# Altium PCB 24V-12V__2x2.PcbDoc
Units mm, origin at the board's own origin, x right, y up, seen from the top; angles counter-clockwise.
Board outline 50.6 x 38 mm, 2 copper layers (Top Layer, Bottom Layer); 72 components, 0 nets, 260 pads, 48 vias.
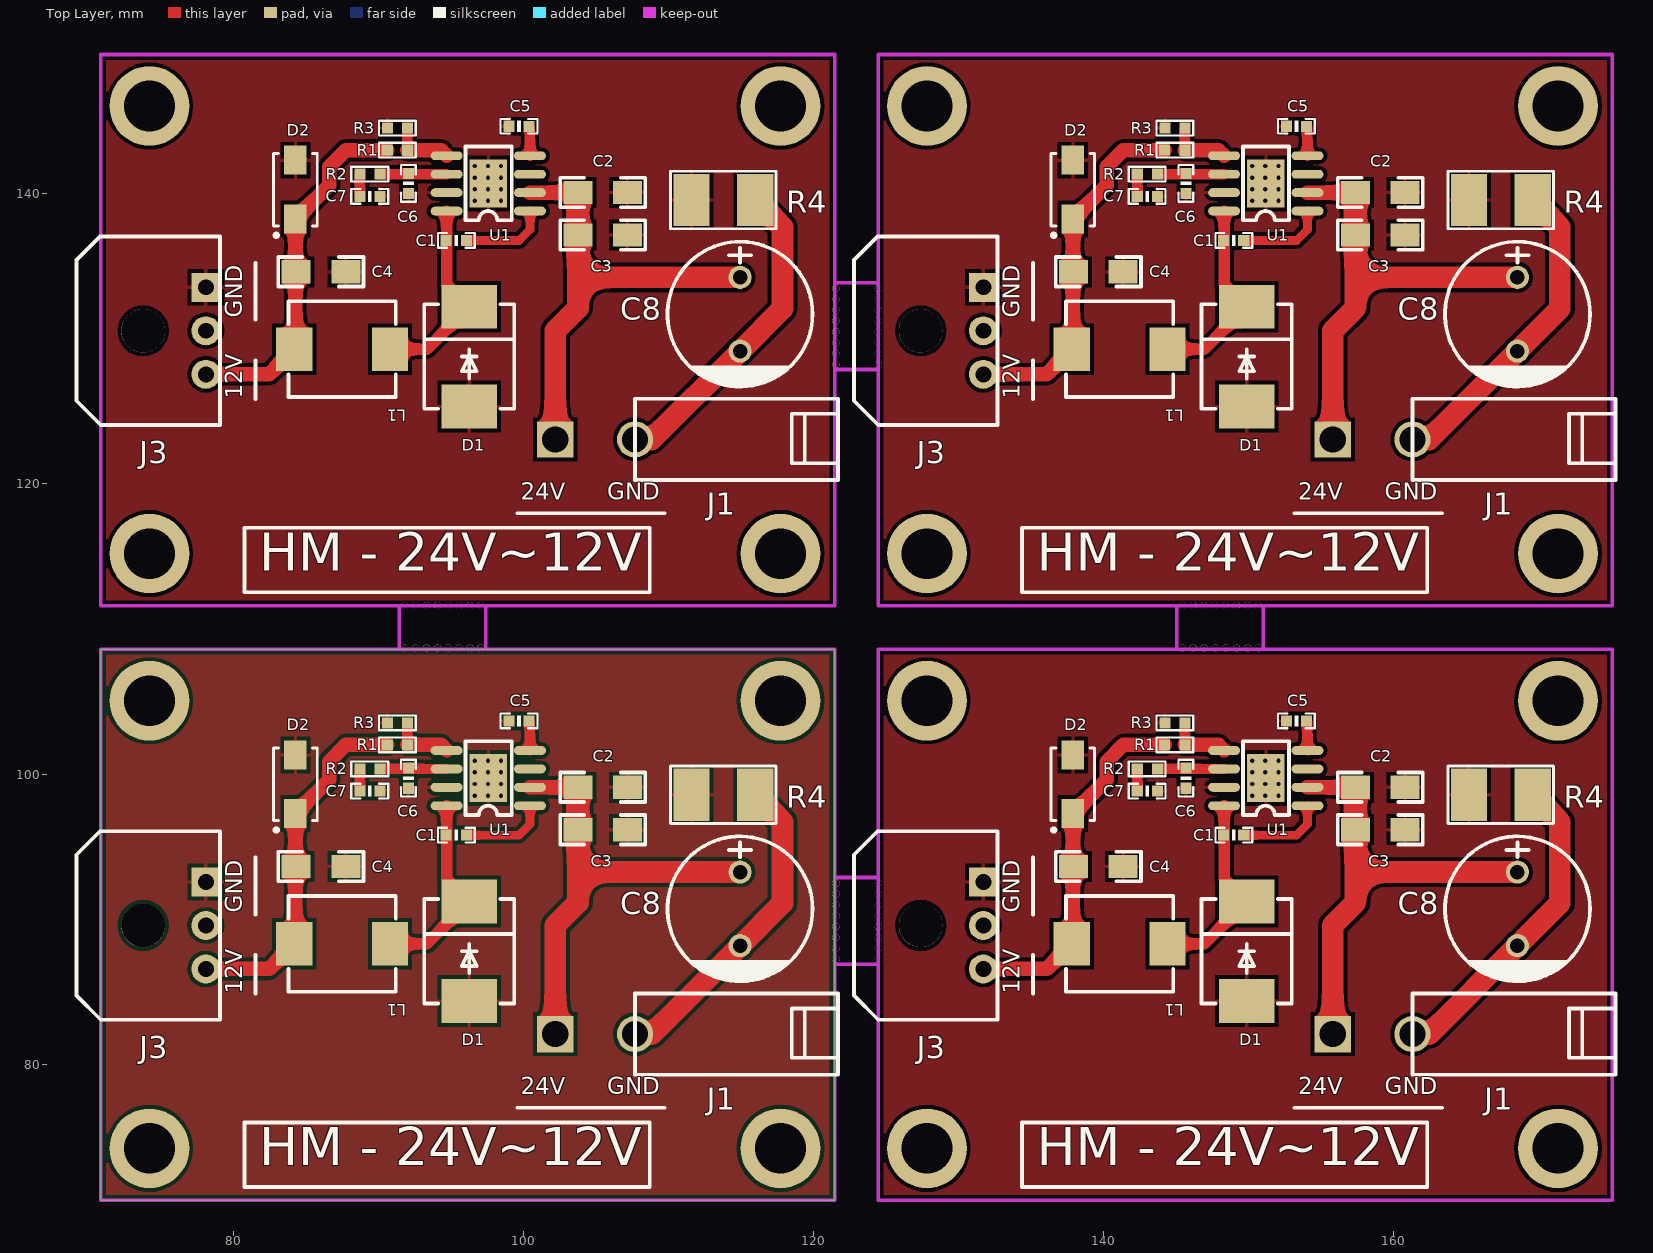
[diagram p0: Top Layer view]
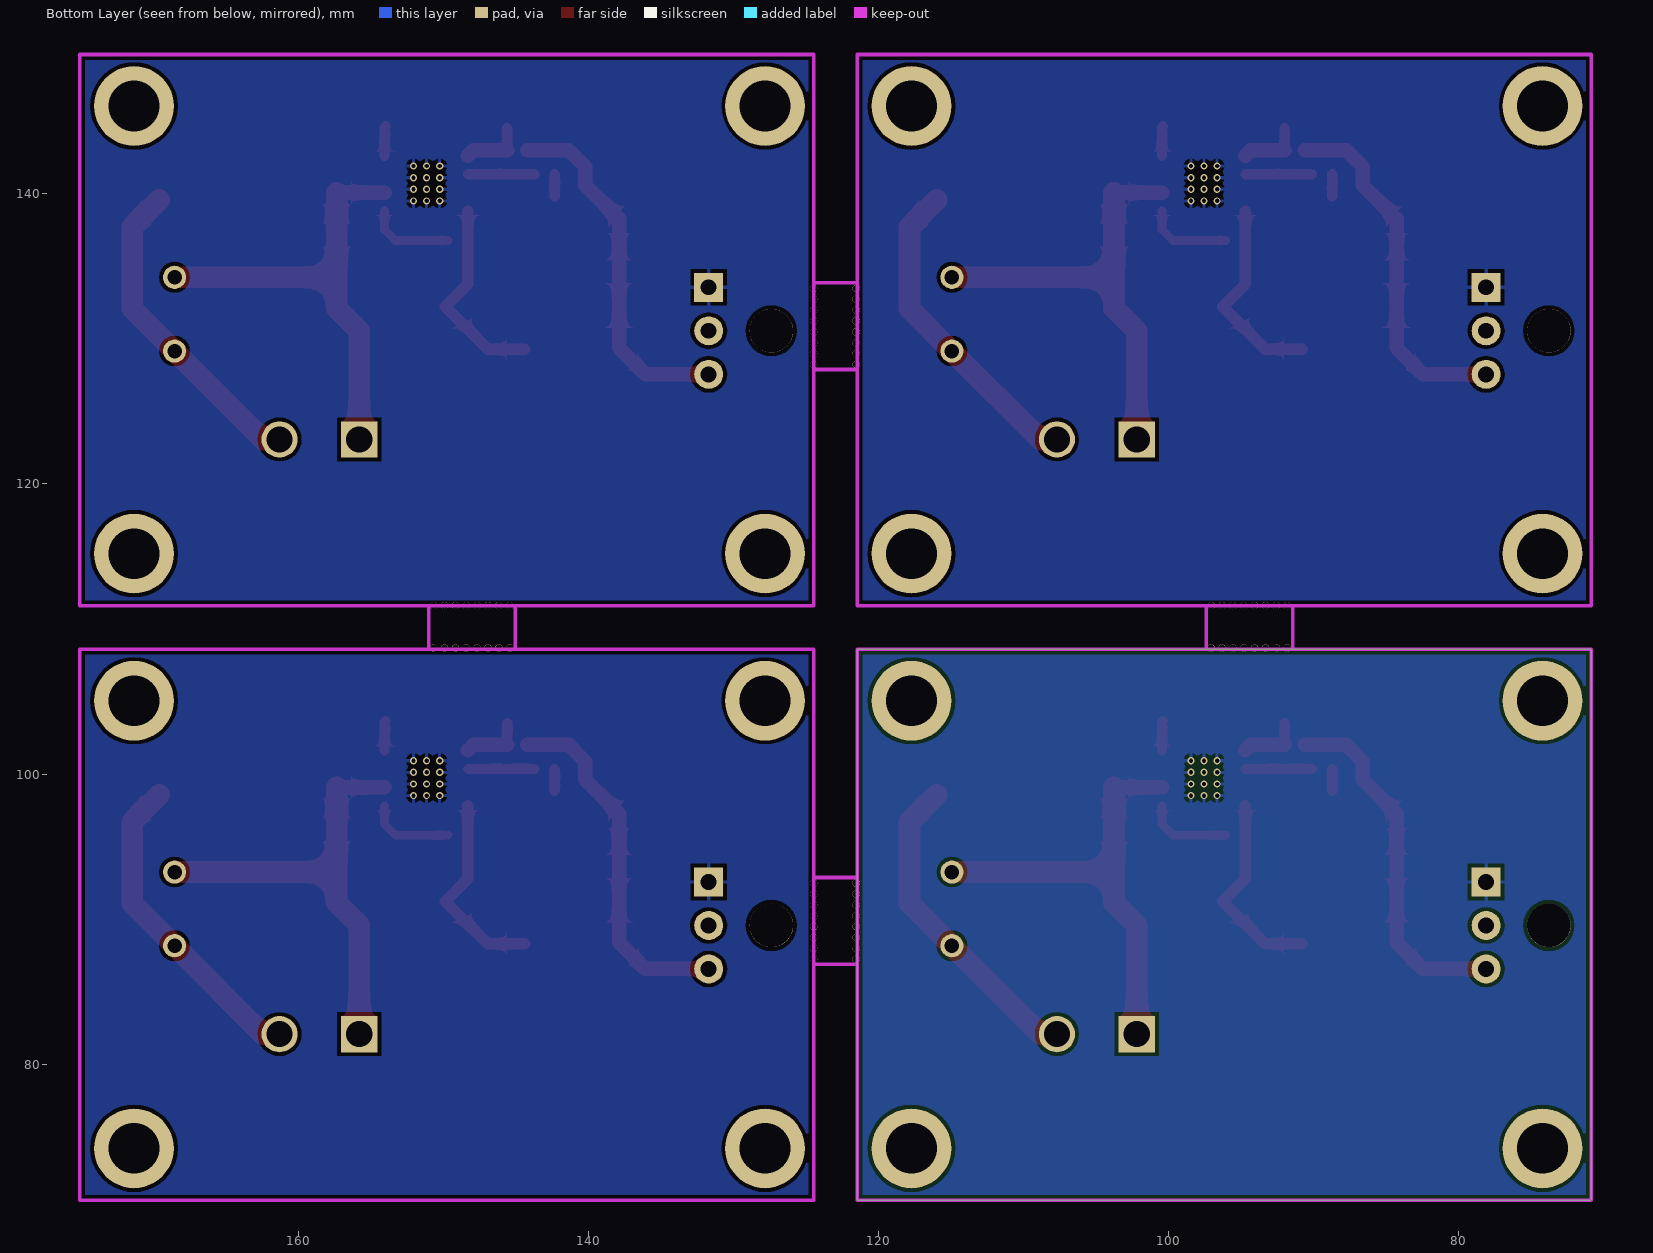
[diagram p1: Bottom Layer view, seen from below]

## Layer stack, top to bottom
Top Solder: solder mask 0.0102, Solder Resist, Dk 3.5
Top Layer: signal copper 0.0356
Dielectric 1: dielectric 0.32, FR-4, Dk 4.8
Bottom Layer: signal copper 0.0356
Bottom Solder: solder mask 0.0102, Solder Resist, Dk 3.5

## Board outline
70.866,70.612 121.466,70.612 121.466,108.612 70.866,108.612

## Design rules (kind name [scope] priority, off if disabled: settings)
Clearance [All] p1: gap=0.254
PolygonConnect [All] p1: connectstyle=Relief reliefconductorwidth=0.254 reliefentries=4 polygonreliefangle="90 Angle" airgapwidth=0.254
RoutingVias [All] p1: holewidth=0.711 width=1.27 viastyle="Through Hole" minholewidth=0.711 minwidth=1.27 maxholewidth=0.711 maxwidth=1.27
SolderMaskExpansion [All] p1: expansion=0.102
Width [All] p1: maxlimit=0.254 minlimit=0.254 preferedwidth=0.254
30 further rules are at their usual default settings.

## Components (designator, comment, footprint, x,y, rotation, side; value= is the part's Value field where it differs from the comment)
C1 "100NF/50V" 0603_C 148.977,95.785 r180 top
C1 "100NF/50V" 0603_C 148.977,136.785 r180 top
C1 "100NF/50V" 0603_C 95.377,95.785 r180 top
C1 "100NF/50V" 0603_C 95.377,136.785 r180 top
C2 "10UF/50V" 1206_C 160.788,99.087 r180 top
C2 "10UF/50V" 1206_C 160.788,140.087 r180 top
C2 "10UF/50V" 1206_C 107.188,99.087 r180 top
C2 "10UF/50V" 1206_C 107.188,140.087 r180 top
C3 "10UF/50V" 1206_C 160.788,96.166 r180 top
C3 "10UF/50V" 1206_C 160.788,137.166 r180 top
C3 "10UF/50V" 1206_C 107.188,96.166 r180 top
C3 "10UF/50V" 1206_C 107.188,137.166 r180 top
C4 "22UF/25V" 1206_C 141.357,93.626 r180 top
C4 "22UF/25V" 1206_C 141.357,134.626 r180 top
C4 "22UF/25V" 1206_C 87.757,93.626 r180 top
C4 "22UF/25V" 1206_C 87.757,134.626 r180 top
C5 "8.2NF/50V" 0603_C 153.295,103.659 r180 top
C5 "8.2NF/50V" 0603_C 153.295,144.659 r180 top
C5 "8.2NF/50V" 0603_C 99.695,103.659 r180 top
C5 "8.2NF/50V" 0603_C 99.695,144.659 r180 top
C6 "10PF/50V" 0603_C 145.675,99.722 r270 top
C6 "10PF/50V" 0603_C 145.675,140.722 r270 top
C6 "10PF/50V" 0603_C 92.075,99.722 r270 top
C6 "10PF/50V" 0603_C 92.075,140.722 r270 top
C7 "1NF/50V" 0603_C 143.008,98.833 r0 top
C7 "1NF/50V" 0603_C 143.008,139.833 r0 top
C7 "1NF/50V" 0603_C 89.408,98.833 r0 top
C7 "1NF/50V" 0603_C 89.408,139.833 r0 top
C8 "470UF/35V" EC-DIP_BD10.0-P5.00-D1.0-FD 168.535,90.705 r270 top
C8 "470UF/35V" EC-DIP_BD10.0-P5.00-D1.0-FD 168.535,131.705 r270 top
C8 "470UF/35V" EC-DIP_BD10.0-P5.00-D1.0-FD 114.935,90.705 r270 top
C8 "470UF/35V" EC-DIP_BD10.0-P5.00-D1.0-FD 114.935,131.705 r270 top
D1 "SK104" SMC/DO214AB 149.866,87.784 r90 top
D1 "SK104" SMC/DO214AB 149.866,128.784 r90 top
D1 "SK104" SMC/DO214AB 96.266,87.784 r90 top
D1 "SK104" SMC/DO214AB 96.266,128.784 r90 top
D2 "SMAJ12A" SMA/DO214AC 136.785,99.595 r270 top
D2 "SMAJ12A" SMA/DO214AC 136.785,140.595 r270 top
D2 "SMAJ12A" SMA/DO214AC 83.185,99.595 r270 top
D2 "SMAJ12A" SMA/DO214AC 83.185,140.595 r270 top
J1 "DIP-2*1" 5557-2*1AW 161.296,82.069 r90 top
J1 "DIP-2*1" 5557-2*1AW 161.296,123.069 r90 top
J1 "DIP-2*1" 5557-2*1AW 107.696,82.069 r90 top
J1 "DIP-2*1" 5557-2*1AW 107.696,123.069 r90 top
J3 "SIP-3" MX3.0mm-43640-3AW 127.387,89.562 r270 top
J3 "SIP-3" MX3.0mm-43640-3AW 127.387,130.562 r270 top
J3 "SIP-3" MX3.0mm-43640-3AW 73.787,89.562 r270 top
J3 "SIP-3" MX3.0mm-43640-3AW 73.787,130.562 r270 top
L1 "12UH/3A" IND-SMD_0630 141.103,88.292 r180 top
L1 "12UH/3A" IND-SMD_0630 141.103,129.292 r180 top
L1 "12UH/3A" IND-SMD_0630 87.503,88.292 r180 top
L1 "12UH/3A" IND-SMD_0630 87.503,129.292 r180 top
R1 "10.2KΩ/1%" 0603_R 144.913,102.008 r180 top
R1 "10.2KΩ/1%" 0603_R 144.913,143.008 r180 top
R1 "10.2KΩ/1%" 0603_R 91.313,102.008 r180 top
R1 "10.2KΩ/1%" 0603_R 91.313,143.008 r180 top
R2 "76.8KΩ/1%" 0603_R 143.008,100.36 r0 top
R2 "76.8KΩ/1%" 0603_R 143.008,141.36 r0 top
R2 "76.8KΩ/1%" 0603_R 89.408,100.36 r0 top
R2 "76.8KΩ/1%" 0603_R 89.408,141.36 r0 top
R3 "732Ω/1%" 0603_R 144.913,103.532 r0 top
R3 "732Ω/1%" 0603_R 144.913,144.532 r0 top
R3 "732Ω/1%" 0603_R 91.313,103.532 r0 top
R3 "732Ω/1%" 0603_R 91.313,144.532 r0 top
R4 "0Ω" 1812_R 167.392,98.579 r180 top
R4 "0Ω" 1812_R 167.392,139.579 r180 top
R4 "0Ω" 1812_R 113.792,98.579 r180 top
R4 "0Ω" 1812_R 113.792,139.579 r180 top
U1 "TPS54331" SO-8-POWERPAD（1.27/3.8*5） 154.057,97.817 r180 top
U1 "TPS54331" SO-8-POWERPAD（1.27/3.8*5） 154.057,138.817 r180 top
U1 "TPS54331" SO-8-POWERPAD（1.27/3.8*5） 100.457,97.817 r180 top
U1 "TPS54331" SO-8-POWERPAD（1.27/3.8*5） 100.457,138.817 r180 top

## Footprints (in the part's own frame and the unit in brackets; to place one, negate y for a bottom-side part, rotate by r counter-clockwise, add the part's x,y. Pads: shape width x height; smd on the part's side, far side on the other; paste and mask are expansions set on the pad)
0603_C [mil] "电容"
  rect 30x30 smd: 1(-27,0) 2(27.5,-0.06)
  silkscreen extent -50,-20 50,20
0603_R [mil] "电阻"
  rect 30x30 smd: 1(-27,0) 2(27.5,-0.06)
  silkscreen extent -50,-20 50,20
1206_C [mm] "电容"
  rect 2x1.6 smd: 1(3.432,0.001) 2(0.003,0.001)
  silkscreen extent -1.22,-1.02 4.65,1.02
1812_R [mm]
  rect 2.5x3.6 smd: 1(-2.2,0) 2(2.2,0)
  silkscreen extent -3.63,-1.98 3.66,1.98, body extent -2.54,-1.65 2.67,1.65, height 1.2
5557-2*1AW [mm] "弯针-引脚间距4.2mm"
  rect 2.5x2.5 hole 1.8: 1(0,5.5)
  round 2.5 hole 1.8: 2(0,0)
  silkscreen extent -2.8,-14 2.8,0
EC-DIP_BD10.0-P5.00-D1.0-FD [mm] "直插电解电容"
  round 1.6 hole 1: 1(-2.54,0) 2(2.54,0)
  silkscreen extent -5,-4.99 5.08,5
IND-SMD_0630 [mm]
  rect 2.5x3 smd: 1(-3.302,0) 2(3.302,0)
  silkscreen extent -3.7,-3.3 3.7,3.3
MX3.0mm-43640-3AW [mm]
  rect 2x2 hole 1.1: 1(-3,4.32)
  round 2 hole 1.1: 2(0,4.32) 3(3,4.32)
  round 3 hole 3 unplated: ""(0,0)
  silkscreen extent -6.5,-4.6 6.5,5.3
SMA/DO214AC [mm] "二极管"
  rect 2x1.55 smd: 1(-1.725,1.1) 2(2.325,1.1)
  silkscreen extent -2.2,-0.4 3.57,2.6, body extent -2.2,-0.4 2.8,2.6, height 2.69
SMC/DO214AB [mm]
  rect 3.03x3.82 smd: 1(-3.435,0) 2(3.435,0)
  silkscreen extent -3.6,-3.11 3.6,3.11
SO-8-POWERPAD（1.27/3.8*5） [mm]
  oval 2.2x0.61 smd: 1(0.003,0.001) 2(0.003,-1.269) 3(0.003,-2.539) 4(0.003,-3.809) 5(5.75,-3.809) 6(5.75,-2.539) 7(5.75,-1.269) 8(5.75,0.001)
  rect 2.6x3.3 smd: 9(2.87,-1.905)
  silkscreen extent 1.27,-4.44 4.45,0.64

## Part data
C1 C1 C1 C1 C2 C2 C2 C2 C3 C3 C3 C3 C4 C4 C4 C4 C5 C5 C5 C5 C6 C6 C6 C6 C7 C7 C7 C7: library part CAP, "无极性电容"
C8 C8 C8 C8: library part "CAP POLAR", "电解电容"
D1 D1 D1 D1: library part Diodes, "肖特基二极管/10A"
D2 D2 D2 D2: library part "Zener diode", "5V 单向TVS"
J1 J1 J1 J1: "双排2*1P插座"
J3 J3 J3 J3: "单排3P插座"
L1 L1 L1 L1: library part INDUCTOR, "电感"
R1 R1 R1 R1 R2 R2 R2 R2 R3 R3 R3 R3 R4 R4 R4 R4: library part RES2, "电阻"
U1 U1 U1 U1: library part TPS54531, "DC-DC/5A"

## Free pads (board coordinates)
  round 0.5 hole 0.5: 5(91.821,108.691) 5(91.821,111.612) 5(121.545,92.483) 5(121.545,133.483) 5(124.466,92.483) 5(124.466,133.483) 5(145.421,108.691) 5(145.421,111.612) 6(92.571,108.691) 6(92.571,111.612) 6(121.545,91.733) 6(121.545,132.733) 6(124.466,91.733) 6(124.466,132.733) 6(146.171,108.691) 6(146.171,111.612) 7(93.321,108.691) 7(93.321,111.612) 7(121.545,90.983) 7(121.545,131.983) 7(124.466,90.983) 7(124.466,131.983) 7(146.921,108.691) 7(146.921,111.612) 8(94.071,108.691) 8(94.071,111.612) 8(121.545,90.233) 8(121.545,131.233) 8(124.466,90.233) 8(124.466,131.233) 8(147.671,108.691) 8(147.671,111.612) 9(94.821,108.691) 9(94.821,111.612) 9(121.545,89.483) 9(121.545,130.483) 9(124.466,89.483) 9(124.466,130.483) 9(148.421,108.691) 9(148.421,111.612) 10(95.571,108.691) 10(95.571,111.612) 10(121.545,88.733) 10(121.545,129.733) 10(124.466,88.733) 10(124.466,129.733) 10(149.171,108.691) 10(149.171,111.612) 11(96.321,108.691) 11(96.321,111.612) 11(121.545,87.983) 11(121.545,128.983) 11(124.466,87.983) 11(124.466,128.983) 11(149.921,108.691) 11(149.921,111.612) 12(97.071,108.691) 12(97.071,111.612) 12(121.545,87.233) 12(121.545,128.233) 12(124.466,87.233) 12(124.466,128.233) 12(150.671,108.691) 12(150.671,111.612)
  round 5.5 hole 3.5: 10(74.219,74.195) 10(74.219,115.195) 10(127.819,74.195) 10(127.819,115.195) 11(74.219,105.056) 11(74.219,146.056) 11(127.819,105.056) 11(127.819,146.056) 12(117.729,74.195) 12(117.729,115.195) 12(171.329,74.195) 12(171.329,115.195) 13(117.729,105.056) 13(117.729,146.056) 13(171.329,105.056) 13(171.329,146.056)

## Via types
v1: diameter 0.5, hole 0.3, Top Layer to Bottom Layer, tented both sides, 48 vias

## Nets (pads, with @x,y where several pads share a name; then routed paths per layer and width w, separated by ;. In a path a pad name is that pad's centre, name@x,y a point inside that pad or via, vN(x,y) a via of type N, cw(c..) or ccw(c..) an arc to the next point about the centre after c; other vN are vias at no path point)
pads on no net: C1.1 C1.2 C2.1 C2.2 C3.1 C3.2 C4.1 C4.2 C5.1 C5.2 C6.1 C6.2 C7.1 C7.2 C8.1 C8.2 D1.1 D1.2 D2.1 D2.2 J1.1 J1.2 J3. J3.1 J3.2 J3.3 L1.1 L1.2 R1.1 R1.2 R2.1 R2.2 R3.1 R3.2 R4.1 R4.2 U1.1 U1.2 U1.3 U1.4 U1.5 U1.6 U1.7 U1.8 U1.9
copper on no net: | length 447.7
  Top Layer w0.6: 96.063,95.785 99.695,95.785 100.454,96.544 100.454,97.816 ; 96.063,136.785 99.695,136.785 100.454,137.544 100.454,138.816 ; 149.663,95.785 153.295,95.785 154.054,96.544 154.054,97.816 ; 149.663,136.785 153.295,136.785 154.054,137.544 154.054,138.816
  Top Layer w0.7: 88.722,98.833 88.722,100.36 ; 88.722,139.833 88.722,141.36 ; 90.106,100.359 90.11,100.356 94.707,100.356 ; 90.106,141.359 90.11,141.356 94.707,141.356 ; 91.999,102.008 91.999,103.518 92.011,103.53 ; 91.999,143.008 91.999,144.518 92.011,144.53 ; 100.381,103.659 100.454,103.586 100.454,101.626 ; 100.381,144.659 100.454,144.586 100.454,142.626 ; 142.322,98.833 142.322,100.36 ; 142.322,139.833 142.322,141.36 ; 143.706,100.359 143.71,100.356 148.307,100.356 ; 143.706,141.359 143.71,141.356 148.307,141.356 ; 145.599,102.008 145.599,103.518 145.611,103.53 ; 145.599,143.008 145.599,144.518 145.611,144.53 ; 153.981,103.659 154.054,103.586 154.054,101.626 ; 153.981,144.659 154.054,144.586 154.054,142.626
  Top Layer w0.8: 90.805,88.292 93.339,88.292 96.266,91.219 94.707,92.778 94.707,97.816 ; 90.805,129.292 93.339,129.292 96.266,132.219 94.707,133.778 94.707,138.816 ; 144.405,88.292 146.939,88.292 149.866,91.219 148.307,92.778 148.307,97.816 ; 144.405,129.292 146.939,129.292 149.866,132.219 148.307,133.778 148.307,138.816
  Top Layer w1: 78.107,86.562 82.471,86.562 84.201,88.292 84.285,88.376 84.285,97.27 86.614,99.599 86.614,100.865 87.759,102.01 90.614,102.01 ; 78.107,127.562 82.471,127.562 84.201,129.292 84.285,129.376 84.285,138.27 86.614,140.599 86.614,141.865 87.759,143.01 90.614,143.01 ; 91.999,102.008 94.325,102.008 94.707,101.626 ; 91.999,143.008 94.325,143.008 94.707,142.626 ; 100.454,99.086 103.756,99.086 ; 100.454,140.086 103.756,140.086 ; 131.707,86.562 136.071,86.562 137.801,88.292 137.885,88.376 137.885,97.27 140.214,99.599 140.214,100.865 141.359,102.01 144.214,102.01 ; 131.707,127.562 136.071,127.562 137.801,129.292 137.885,129.376 137.885,138.27 140.214,140.599 140.214,141.865 141.359,143.01 144.214,143.01 ; 145.599,102.008 147.925,102.008 148.307,101.626 ; 145.599,143.008 147.925,143.008 148.307,142.626 ; 154.054,99.086 157.356,99.086 ; 154.054,140.086 157.356,140.086
  Top Layer w1.5: 102.489,82.069 102.196,82.069 102.196,89.562 103.756,91.122 103.756,93.245 ; 102.489,123.069 102.196,123.069 102.196,130.562 103.756,132.122 103.756,134.245 ; 103.756,99.086 103.756,96.165 103.756,93.245 ; 103.756,140.086 103.756,137.165 103.756,134.245 ; 107.696,82.069 108.839,82.069 114.935,88.165 117.856,91.086 117.856,96.715 115.992,98.579 ; 107.696,123.069 108.839,123.069 114.935,129.165 117.856,132.086 117.856,137.715 115.992,139.579 ; 114.935,93.245 103.756,93.245 ; 114.935,134.245 103.756,134.245 ; 156.089,82.069 155.796,82.069 155.796,89.562 157.356,91.122 157.356,93.245 ; 156.089,123.069 155.796,123.069 155.796,130.562 157.356,132.122 157.356,134.245 ; 157.356,99.086 157.356,96.165 157.356,93.245 ; 157.356,140.086 157.356,137.165 157.356,134.245 ; 161.296,82.069 162.439,82.069 168.535,88.165 171.456,91.086 171.456,96.715 169.592,98.579 ; 161.296,123.069 162.439,123.069 168.535,129.165 171.456,132.086 171.456,137.715 169.592,139.579 ; 168.535,93.245 157.356,93.245 ; 168.535,134.245 157.356,134.245
  other v1: 96.657,98.517 97.557,98.517 98.457,98.517 150.257,98.517 151.157,98.517 152.057,98.517 96.657,99.317 97.557,99.317 98.457,99.317 150.257,99.317 151.157,99.317 152.057,99.317 96.657,100.117 97.557,100.117 98.457,100.117 150.257,100.117 151.157,100.117 152.057,100.117 96.657,100.917 97.557,100.917 98.457,100.917 150.257,100.917 151.157,100.917 152.057,100.917 96.657,139.517 97.557,139.517 98.457,139.517 150.257,139.517 151.157,139.517 152.057,139.517 96.657,140.317 97.557,140.317 98.457,140.317 150.257,140.317 151.157,140.317 152.057,140.317 96.657,141.117 97.557,141.117 98.457,141.117 150.257,141.117 151.157,141.117 152.057,141.117 96.657,141.917 97.557,141.917 98.457,141.917 150.257,141.917 151.157,141.917 152.057,141.917

## Polygon pours and split planes (outlines as drawn)
no net on Top Layer "GND" (solid, remove dead copper, pour order 4): 124.466,108.612 175.066,108.612 175.066,70.612 124.466,70.612
no net on Top Layer "GND" (solid, remove dead copper, pour order 4): 124.466,149.612 175.066,149.612 175.066,111.612 124.466,111.612
no net on Top Layer "GND" (solid, remove dead copper, pour order 4): 70.866,108.612 121.466,108.612 121.466,70.612 70.866,70.612
no net on Top Layer "GND" (solid, remove dead copper, pour order 4): 70.866,149.612 121.466,149.612 121.466,111.612 70.866,111.612
no net on Bottom Layer "GND" (solid, remove dead copper, pour order 3): 124.466,108.612 175.066,108.612 175.066,70.612 124.466,70.612
no net on Bottom Layer "GND" (solid, remove dead copper, pour order 3): 124.466,149.612 175.066,149.612 175.066,111.612 124.466,111.612
no net on Bottom Layer "GND" (solid, remove dead copper, pour order 3): 70.866,108.612 121.466,108.612 121.466,70.612 70.866,70.612
no net on Bottom Layer "GND" (solid, remove dead copper, pour order 3): 70.866,149.612 121.466,149.612 121.466,111.612 70.866,111.612

## Keep-outs
Keep-Out Layer:
  lines w0.254: 91.44,108.612 91.44,111.612 ; 97.409,108.612 97.409,111.612 ; 121.466,86.895 124.466,86.895 ; 121.466,92.864 124.466,92.864 ; 121.466,127.895 124.466,127.895 ; 121.466,133.864 124.466,133.864 ; 145.04,108.612 145.04,111.612 ; 151.009,108.612 151.009,111.612 ; 70.866,70.612 121.466,70.612 121.466,108.612 70.866,108.612 70.866,70.612 ; 70.866,111.612 121.466,111.612 121.466,149.612 70.866,149.612 70.866,111.612 ; 124.466,70.612 175.066,70.612 175.066,108.612 124.466,108.612 124.466,70.612 ; 124.466,111.612 175.066,111.612 175.066,149.612 124.466,149.612 124.466,111.612

## Silkscreen, mask and mechanical layers (free items; w line width, h text height)
Top Overlay:
  lines w0.254: 81.534,84.863 81.534,87.53 ; 81.534,90.324 81.534,94.261 ; 81.534,125.863 81.534,128.53 ; 81.534,131.324 81.534,135.261 ; 99.568,76.989 109.728,76.989 ; 99.568,117.989 109.728,117.989 ; 135.134,84.863 135.134,87.53 ; 135.134,90.324 135.134,94.261 ; 135.134,125.863 135.134,128.53 ; 135.134,131.324 135.134,135.261 ; 153.168,76.989 163.328,76.989 ; 153.168,117.989 163.328,117.989 ; 80.772,71.528 80.772,75.973 108.712,75.973 108.712,71.528 80.772,71.528 ; 80.772,112.528 80.772,116.973 108.712,116.973 108.712,112.528 80.772,112.528 ; 134.372,71.528 134.372,75.973 162.312,75.973 162.312,71.528 134.372,71.528 ; 134.372,112.528 134.372,116.973 162.312,116.973 162.312,112.528 134.372,112.528
  text "GND" at 81.026,131.451 h2 r90
  text "GND" at 134.626,131.451 h2 r90
  text "12V" at 81.026,125.863 h2 r90
  text "12V" at 134.626,125.863 h2 r90
  text "24V" at 99.822,118.497 h2
  text "GND" at 105.791,118.497 h2
  text "24V" at 153.422,118.497 h2
  text "GND" at 159.391,118.497 h2
  text "HM - 24V~12V" at 81.788,113.163 h4.5
  text "HM - 24V~12V" at 135.388,113.163 h4.5
  text "GND" at 81.026,90.451 h2 r90
  text "GND" at 134.626,90.451 h2 r90
  text "12V" at 81.026,84.863 h2 r90
  text "12V" at 134.626,84.863 h2 r90
  text "24V" at 99.822,77.497 h2
  text "GND" at 105.791,77.497 h2
  text "24V" at 153.422,77.497 h2
  text "GND" at 159.391,77.497 h2
  text "HM - 24V~12V" at 81.788,72.163 h4.5
  text "HM - 24V~12V" at 135.388,72.163 h4.5

## Dimensions
175.066,149.612 to 175.066,70.612 on Keep-Out Layer
70.866,149.612 to 175.066,149.612 on Keep-Out Layer